# Altium PCB PCB1.PcbDoc (part 1 of 2) (continued)
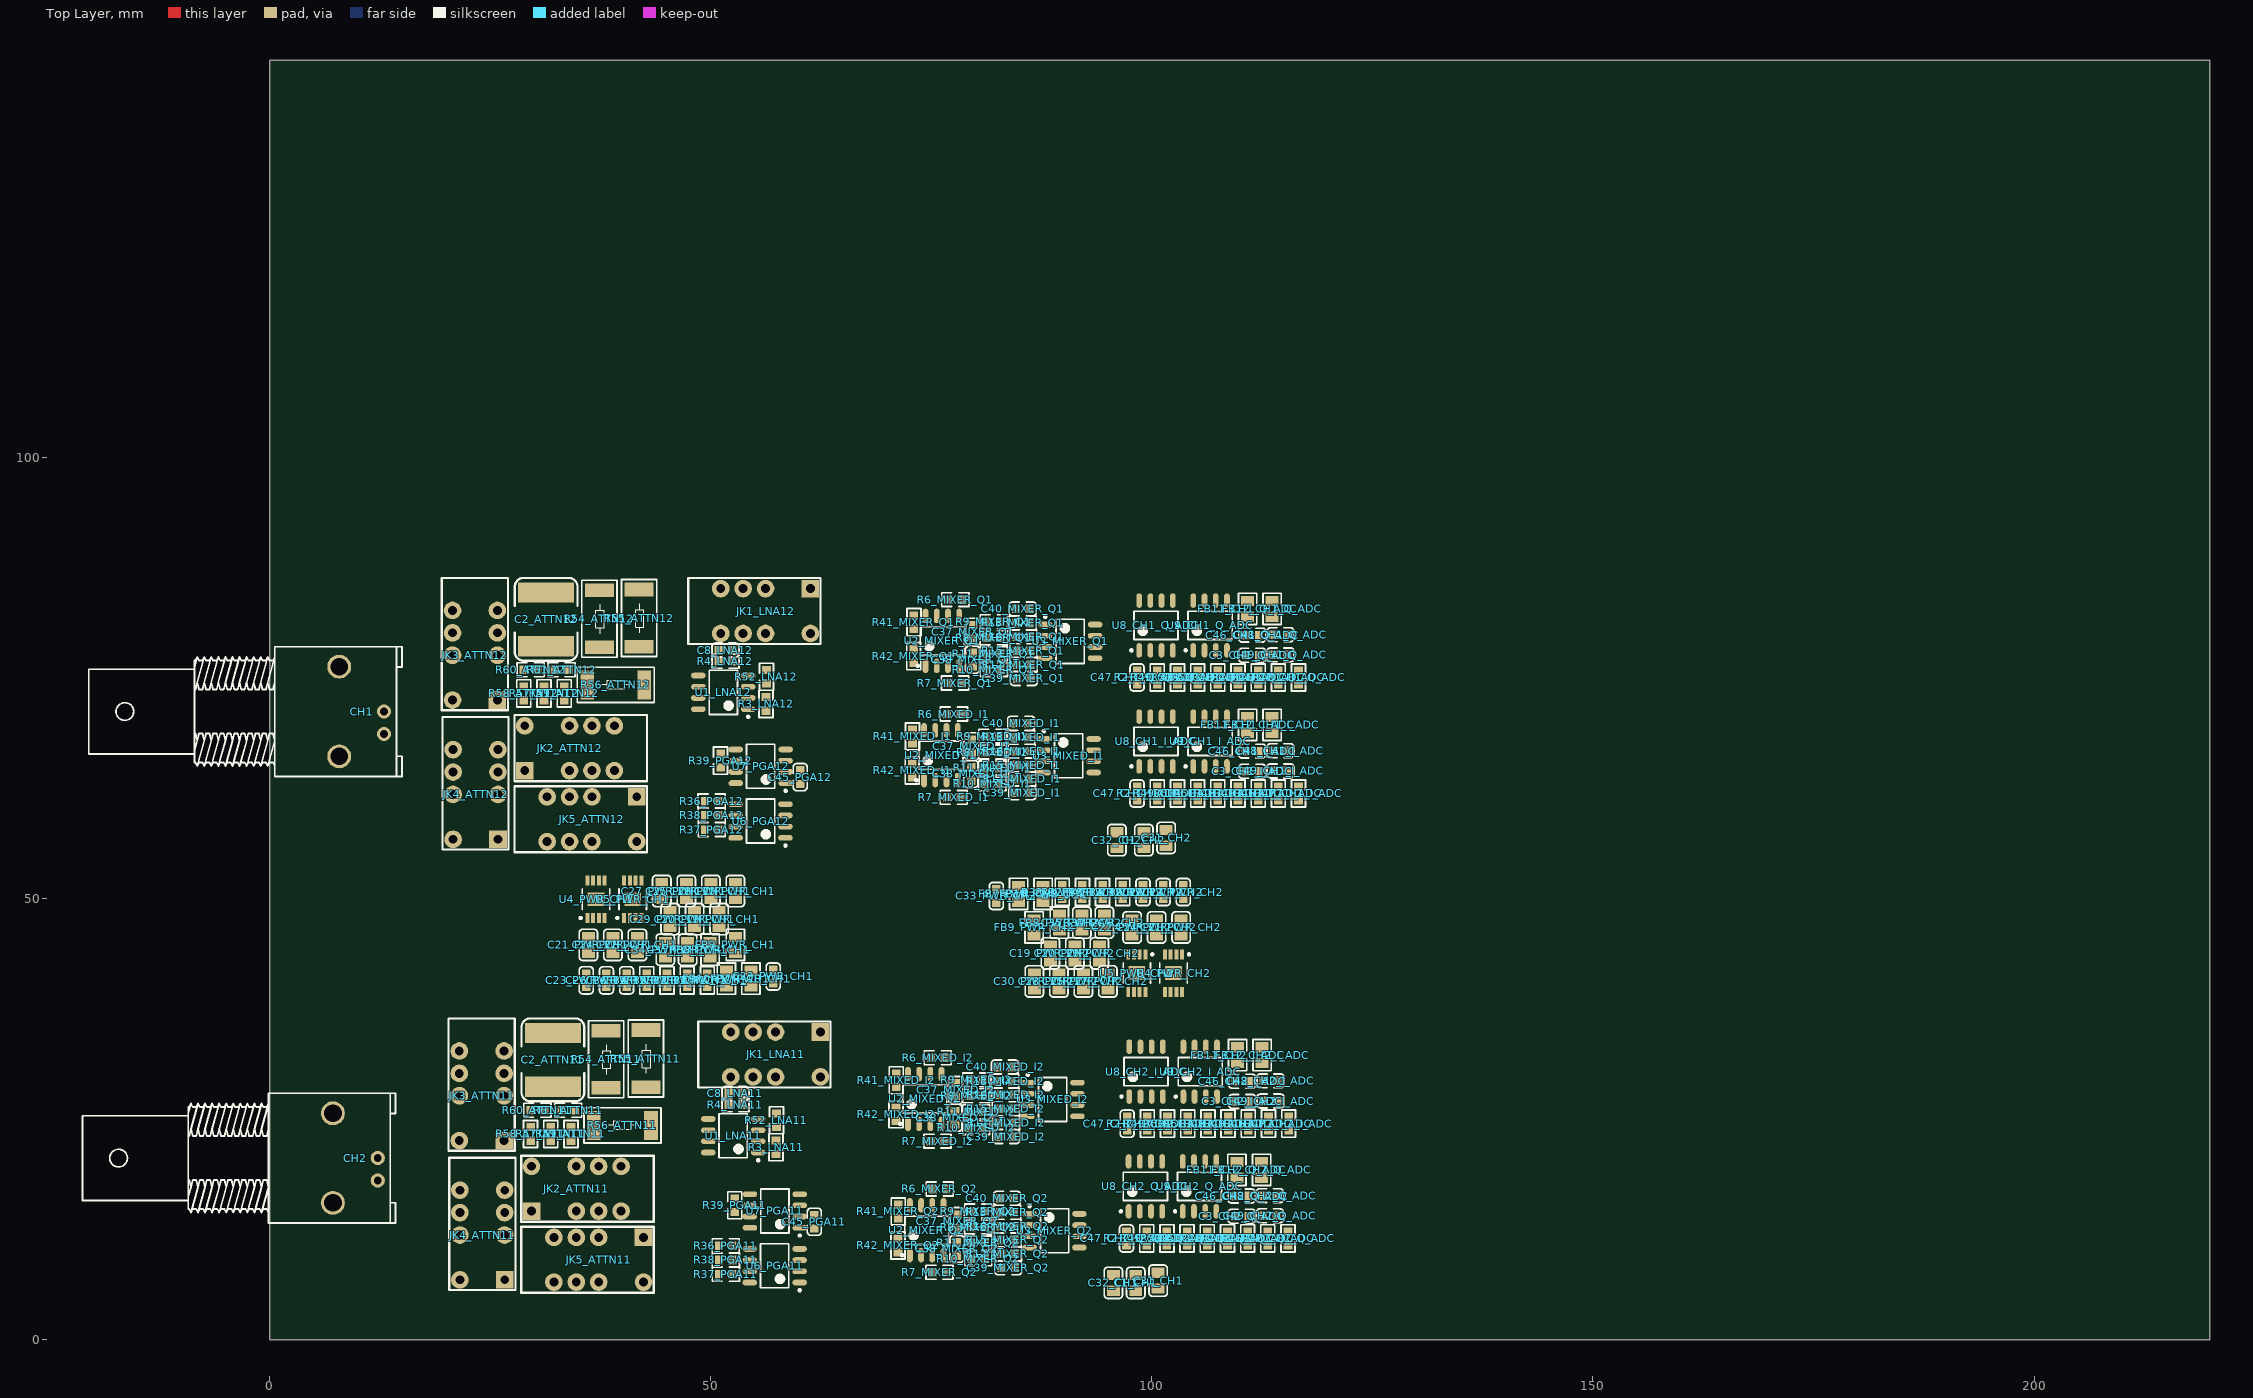
[diagram p0: Top Layer view]
## Classes and differential pairs
component class PWR_CH2: C19_PWR_CH2 C20_PWR_CH2 C21_PWR_CH2 C22_PWR_CH2 C23_PWR_CH2 C24_PWR_CH2 C25_PWR_CH2 C26_PWR_CH2 C27_PWR_CH2 C28_PWR_CH2 C29_PWR_CH2 C30_PWR_CH2 C33_PWR_CH2 C34_PWR_CH2 C35_PWR_CH2 C36_PWR_CH2 FB7_PWR_CH2 FB8_PWR_CH2 FB9_PWR_CH2 FB10_PWR_CH2 R32_PWR_CH2 R33_PWR_CH2 R34_PWR_CH2 R35_PWR_CH2 U4_PWR_CH2 U5_PWR_CH2
component class PWR_CH1: C19_PWR_CH1 C20_PWR_CH1 C21_PWR_CH1 C22_PWR_CH1 C23_PWR_CH1 C24_PWR_CH1 C25_PWR_CH1 C26_PWR_CH1 C27_PWR_CH1 C28_PWR_CH1 C29_PWR_CH1 C30_PWR_CH1 C33_PWR_CH1 C34_PWR_CH1 C35_PWR_CH1 C36_PWR_CH1 FB7_PWR_CH1 FB8_PWR_CH1 FB9_PWR_CH1 FB10_PWR_CH1 R32_PWR_CH1 R33_PWR_CH1 R34_PWR_CH1 R35_PWR_CH1 U4_PWR_CH1 U5_PWR_CH1
component class PGA12: C13_PGA12 C14_PGA12 C15_PGA12 C16_PGA12 C43_PGA12 C44_PGA12 C45_PGA12 FB5_PGA12 FB6_PGA12 R36_PGA12 R37_PGA12 R38_PGA12 R39_PGA12 U6_PGA12 U7_PGA12
component class PGA11: C13_PGA11 C14_PGA11 C15_PGA11 C16_PGA11 C43_PGA11 C44_PGA11 C45_PGA11 FB5_PGA11 FB6_PGA11 R36_PGA11 R37_PGA11 R38_PGA11 R39_PGA11 U6_PGA11 U7_PGA11
component class MIXER_Q2: C9_MIXER_Q2 C10_MIXER_Q2 C11_MIXER_Q2 C12_MIXER_Q2 C37_MIXER_Q2 C38_MIXER_Q2 C39_MIXER_Q2 C40_MIXER_Q2 C41_MIXER_Q2 C42_MIXER_Q2 FB3_MIXER_Q2 FB4_MIXER_Q2 R6_MIXER_Q2 R7_MIXER_Q2 R8_MIXER_Q2 R9_MIXER_Q2 R10_MIXER_Q2 R11_MIXER_Q2 R12_MIXER_Q2 R13_MIXER_Q2 R14_MIXER_Q2 R15_MIXER_Q2 R16_MIXER_Q2 R17_MIXER_Q2 R41_MIXER_Q2 R42_MIXER_Q2 U2_MIXER_Q2 U3_MIXER_Q2
component class MIXER_Q1: C9_MIXER_Q1 C10_MIXER_Q1 C11_MIXER_Q1 C12_MIXER_Q1 C37_MIXER_Q1 C38_MIXER_Q1 C39_MIXER_Q1 C40_MIXER_Q1 C41_MIXER_Q1 C42_MIXER_Q1 FB3_MIXER_Q1 FB4_MIXER_Q1 R6_MIXER_Q1 R7_MIXER_Q1 R8_MIXER_Q1 R9_MIXER_Q1 R10_MIXER_Q1 R11_MIXER_Q1 R12_MIXER_Q1 R13_MIXER_Q1 R14_MIXER_Q1 R15_MIXER_Q1 R16_MIXER_Q1 R17_MIXER_Q1 R41_MIXER_Q1 R42_MIXER_Q1 U2_MIXER_Q1 U3_MIXER_Q1
component class MIXED_I2: C9_MIXED_I2 C10_MIXED_I2 C11_MIXED_I2 C12_MIXED_I2 C37_MIXED_I2 C38_MIXED_I2 C39_MIXED_I2 C40_MIXED_I2 C41_MIXED_I2 C42_MIXED_I2 FB3_MIXED_I2 FB4_MIXED_I2 R6_MIXED_I2 R7_MIXED_I2 R8_MIXED_I2 R9_MIXED_I2 R10_MIXED_I2 R11_MIXED_I2 R12_MIXED_I2 R13_MIXED_I2 R14_MIXED_I2 R15_MIXED_I2 R16_MIXED_I2 R17_MIXED_I2 R41_MIXED_I2 R42_MIXED_I2 U2_MIXED_I2 U3_MIXED_I2
component class MIXED_I1: C9_MIXED_I1 C10_MIXED_I1 C11_MIXED_I1 C12_MIXED_I1 C37_MIXED_I1 C38_MIXED_I1 C39_MIXED_I1 C40_MIXED_I1 C41_MIXED_I1 C42_MIXED_I1 FB3_MIXED_I1 FB4_MIXED_I1 R6_MIXED_I1 R7_MIXED_I1 R8_MIXED_I1 R9_MIXED_I1 R10_MIXED_I1 R11_MIXED_I1 R12_MIXED_I1 R13_MIXED_I1 R14_MIXED_I1 R15_MIXED_I1 R16_MIXED_I1 R17_MIXED_I1 R41_MIXED_I1 R42_MIXED_I1 U2_MIXED_I1 U3_MIXED_I1
component class LNA12: C4_LNA12 C5_LNA12 C6_LNA12 C7_LNA12 C8_LNA12 D5_LNA12 FB1_LNA12 FB2_LNA12 JK1_LNA12 Q1_LNA12 Q2_LNA12 R1_LNA12 R3_LNA12 R4_LNA12 R5_LNA12 R52_LNA12 R53_LNA12 U1_LNA12
component class LNA11: C4_LNA11 C5_LNA11 C6_LNA11 C7_LNA11 C8_LNA11 D5_LNA11 FB1_LNA11 FB2_LNA11 JK1_LNA11 Q1_LNA11 Q2_LNA11 R1_LNA11 R3_LNA11 R4_LNA11 R5_LNA11 R52_LNA11 R53_LNA11 U1_LNA11
component class CH2_Q_ADC: C3_CH2_Q_ADC C46_CH2_Q_ADC C47_CH2_Q_ADC C48_CH2_Q_ADC C49_CH2_Q_ADC FB11_CH2_Q_ADC FB12_CH2_Q_ADC R2_CH2_Q_ADC R40_CH2_Q_ADC R46_CH2_Q_ADC R47_CH2_Q_ADC R48_CH2_Q_ADC R49_CH2_Q_ADC R50_CH2_Q_ADC R51_CH2_Q_ADC U8_CH2_Q_ADC U9_CH2_Q_ADC
component class CH2_I_ADC: C3_CH2_I_ADC C46_CH2_I_ADC C47_CH2_I_ADC C48_CH2_I_ADC C49_CH2_I_ADC FB11_CH2_I_ADC FB12_CH2_I_ADC R2_CH2_I_ADC R40_CH2_I_ADC R46_CH2_I_ADC R47_CH2_I_ADC R48_CH2_I_ADC R49_CH2_I_ADC R50_CH2_I_ADC R51_CH2_I_ADC U8_CH2_I_ADC U9_CH2_I_ADC
component class CH2: C1_CH2 C31_CH2 C32_CH2
component class CH1_Q_ADC: C3_CH1_Q_ADC C46_CH1_Q_ADC C47_CH1_Q_ADC C48_CH1_Q_ADC C49_CH1_Q_ADC FB11_CH1_Q_ADC FB12_CH1_Q_ADC R2_CH1_Q_ADC R40_CH1_Q_ADC R46_CH1_Q_ADC R47_CH1_Q_ADC R48_CH1_Q_ADC R49_CH1_Q_ADC R50_CH1_Q_ADC R51_CH1_Q_ADC U8_CH1_Q_ADC U9_CH1_Q_ADC
component class CH1_I_ADC: C3_CH1_I_ADC C46_CH1_I_ADC C47_CH1_I_ADC C48_CH1_I_ADC C49_CH1_I_ADC FB11_CH1_I_ADC FB12_CH1_I_ADC R2_CH1_I_ADC R40_CH1_I_ADC R46_CH1_I_ADC R47_CH1_I_ADC R48_CH1_I_ADC R49_CH1_I_ADC R50_CH1_I_ADC R51_CH1_I_ADC U8_CH1_I_ADC U9_CH1_I_ADC
component class CH1: C1_CH1 C31_CH1 C32_CH1
component class ATTN12: C2_ATTN12 D1_ATTN12 D2_ATTN12 D3_ATTN12 D4_ATTN12 JK2_ATTN12 JK3_ATTN12 JK4_ATTN12 JK5_ATTN12 R54_ATTN12 R55_ATTN12 R56_ATTN12 R57_ATTN12 R58_ATTN12 R59_ATTN12 R60_ATTN12 R61_ATTN12
component class ATTN11: C2_ATTN11 D1_ATTN11 D2_ATTN11 D3_ATTN11 D4_ATTN11 JK2_ATTN11 JK3_ATTN11 JK4_ATTN11 JK5_ATTN11 R54_ATTN11 R55_ATTN11 R56_ATTN11 R57_ATTN11 R58_ATTN11 R59_ATTN11 R60_ATTN11 R61_ATTN11
channel class LN_LDO: PWR_CH1 PWR_CH2
channel class Ladder_ATTN: ATTN11 ATTN12
channel class BUF_ADC: CH1_I_ADC CH1_Q_ADC CH2_I_ADC CH2_Q_ADC
channel class AD834_Mixer: MIXED_I1 MIXED_I2 MIXER_Q1 MIXER_Q2
channel class AD603_PGA: PGA11 PGA12
channel class OPA847_LNA: LNA11 LNA12
channel class Analog_Channel: CH1 CH2
component class Analog_Channel_Test: CH1 CH2

## Components (designator, comment, footprint, x,y, rotation, side; value= is the part's Value field where it differs from the comment)
C1_CH1 "100nF" 0805_C 98.176,6.425 r90 top (schematic designator C1)
C1_CH2 "100nF" 0805_C 99.095,56.61 r90 top (schematic designator C1)
C2_ATTN11 "1uF 63V CB042D0105JBC" 2225C 32.106,28.66 r90 top (schematic designator C2)
C2_ATTN12 "1uF 63V CB042D0105JBC" 2225C 31.341,78.595 r90 top (schematic designator C2)
C3_CH1_I_ADC "100nF" 0603_C 111.38,64.413 r180 top (schematic designator C3)
C3_CH1_Q_ADC "100nF" 0603_C 111.38,77.563 r180 top (schematic designator C3)
C3_CH2_I_ADC "100nF" 0603_C 110.255,26.988 r180 top (schematic designator C3)
C3_CH2_Q_ADC "100nF" 0603_C 110.184,13.98 r180 top (schematic designator C3)
C4_LNA11 "100nF" 0603_C 54.1,24.72 r0 bottom (schematic designator C4)
C4_LNA12 "100nF" 0603_C 52.969,74.983 r0 bottom (schematic designator C4)
C5_LNA11 "10nF" 0603_C 54.095,23.645 r0 bottom (schematic designator C5)
C5_LNA12 "10nF" 0603_C 52.964,73.908 r0 bottom (schematic designator C5)
C6_LNA11 "100nF" 0603_C 51.525,23.645 r180 bottom (schematic designator C6)
C6_LNA12 "100nF" 0603_C 50.394,73.908 r180 bottom (schematic designator C6)
C7_LNA11 "10nF" 0603_C 51.53,24.72 r180 bottom (schematic designator C7)
C7_LNA12 "10nF" 0603_C 50.399,74.983 r180 bottom (schematic designator C7)
C8_LNA11 "10pF" 0603_C 52.8,27.895 r180 top (schematic designator C8)
C8_LNA12 "10pF" 0603_C 51.669,78.158 r180 top (schematic designator C8)
C9_MIXED_I1 "100nF" 0603_C 78.512,65.437 r270 bottom (schematic designator C9)
C9_MIXED_I2 "100nF" 0603_C 76.68,26.474 r270 bottom (schematic designator C9)
C9_MIXER_Q1 "100nF" 0603_C 78.68,78.399 r270 bottom (schematic designator C9)
C9_MIXER_Q2 "100nF" 0603_C 76.905,11.599 r270 bottom (schematic designator C9)
C10_MIXED_I1 "10nF" 0603_C 77.437,65.437 r270 bottom (schematic designator C10)
C10_MIXED_I2 "10nF" 0603_C 75.605,26.474 r270 bottom (schematic designator C10)
C10_MIXER_Q1 "10nF" 0603_C 77.605,78.399 r270 bottom (schematic designator C10)
C10_MIXER_Q2 "10nF" 0603_C 75.83,11.599 r270 bottom (schematic designator C10)
C11_MIXED_I1 "100nF" 0603_C 76.262,67.037 r90 bottom (schematic designator C11)
C11_MIXED_I2 "100nF" 0603_C 74.43,28.074 r90 bottom (schematic designator C11)
C11_MIXER_Q1 "100nF" 0603_C 76.43,79.999 r90 bottom (schematic designator C11)
C11_MIXER_Q2 "100nF" 0603_C 74.655,13.199 r90 bottom (schematic designator C11)
C12_MIXED_I1 "10nF" 0603_C 75.187,67.037 r90 bottom (schematic designator C12)
C12_MIXED_I2 "10nF" 0603_C 73.355,28.074 r90 bottom (schematic designator C12)
C12_MIXER_Q1 "10nF" 0603_C 75.355,79.999 r90 bottom (schematic designator C12)
C12_MIXER_Q2 "10nF" 0603_C 73.58,13.199 r90 bottom (schematic designator C12)
C13_PGA11 "100nF" 0603_C 59,15.39 r90 bottom (schematic designator C13)
C13_PGA12 "100nF" 0603_C 57.4,65.795 r90 bottom (schematic designator C13)
C14_PGA11 "10nF" 0603_C 57.9,15.36 r90 bottom (schematic designator C14)
C14_PGA12 "10nF" 0603_C 56.3,65.765 r90 bottom (schematic designator C14)
C15_PGA11 "100nF" 0603_C 55.725,13.76 r270 bottom (schematic designator C15)
C15_PGA12 "100nF" 0603_C 54.125,64.165 r270 bottom (schematic designator C15)
C16_PGA11 "10nF" 0603_C 56.825,13.76 r270 bottom (schematic designator C16)
C16_PGA12 "10nF" 0603_C 55.225,64.165 r270 bottom (schematic designator C16)
C19_PWR_CH1 "10uF" 0805_C 50.956,47.671 r90 top (schematic designator C19)
C19_PWR_CH2 "10uF" 0805_C 88.5,43.778 r270 top (schematic designator C19)
C20_PWR_CH1 "10uF" 0805_C 48.178,47.671 r90 top (schematic designator C20)
C20_PWR_CH2 "10uF" 0805_C 91.278,43.778 r270 top (schematic designator C20)
C21_PWR_CH1 "10uF" 0805_C 36.132,44.735 r90 top (schematic designator C21)
C21_PWR_CH2 "10uF" 0805_C 103.324,46.714 r270 top (schematic designator C21)
C22_PWR_CH1 "10uF" 0805_C 41.688,44.735 r90 top (schematic designator C22)
C22_PWR_CH2 "10uF" 0805_C 97.768,46.714 r270 top (schematic designator C22)
C23_PWR_CH1 "10nF" 0603_C 35.887,40.722 r90 top (schematic designator C23)
C23_PWR_CH2 "10nF" 0603_C 103.569,50.727 r270 top (schematic designator C23)
C24_PWR_CH1 "10uF" 0805_C 38.91,44.735 r90 top (schematic designator C24)
C24_PWR_CH2 "10uF" 0805_C 100.546,46.714 r270 top (schematic designator C24)
C25_PWR_CH1 "10uF" 0805_C 47.226,50.846 r90 top (schematic designator C25)
C25_PWR_CH2 "10uF" 0805_C 92.23,40.603 r270 top (schematic designator C25)
C26_PWR_CH1 "100nF" 0603_C 38.175,40.722 r90 top (schematic designator C26)
C26_PWR_CH2 "100nF" 0603_C 101.281,50.727 r270 top (schematic designator C26)
C27_PWR_CH1 "10uF" 0805_C 44.448,50.846 r90 top (schematic designator C27)
C27_PWR_CH2 "10uF" 0805_C 95.008,40.603 r270 top (schematic designator C27)
C28_PWR_CH1 "10uF" 0805_C 50.004,50.846 r90 top (schematic designator C28)
C28_PWR_CH2 "10uF" 0805_C 89.452,40.603 r270 top (schematic designator C28)
C29_PWR_CH1 "10uF" 0805_C 45.4,47.671 r90 top (schematic designator C29)
C29_PWR_CH2 "10uF" 0805_C 94.056,43.778 r270 top (schematic designator C29)
C30_PWR_CH1 "10uF" 0805_C 52.782,50.846 r90 top (schematic designator C30)
C30_PWR_CH2 "10uF" 0805_C 86.674,40.603 r270 top (schematic designator C30)
C31_CH1 "100nF" 0805_C 100.72,6.68 r90 top (schematic designator C31)
C31_CH2 "100nF" 0805_C 101.625,56.865 r90 top (schematic designator C31)
C32_CH1 "100nF" 0805_C 95.64,6.425 r90 top (schematic designator C32)
C32_CH2 "100nF" 0805_C 96.034,56.61 r90 top (schematic designator C32)
C33_PWR_CH1 "100nF" 0603_C 57.079,41.16 r90 top (schematic designator C33)
C33_PWR_CH2 "100nF" 0603_C 82.377,50.289 r270 top (schematic designator C33)
C34_PWR_CH1 "10uF" 0805_C 44.846,44.192 r90 top (schematic designator C34)
C34_PWR_CH2 "10uF" 0805_C 94.61,47.257 r270 top (schematic designator C34)
C35_PWR_CH1 "10uF" 0805_C 47.386,44.192 r90 top (schematic designator C35)
C35_PWR_CH2 "10uF" 0805_C 92.07,47.257 r270 top (schematic designator C35)
C36_PWR_CH1 "10nF" 0603_C 40.463,40.722 r90 top (schematic designator C36)
C36_PWR_CH2 "10nF" 0603_C 98.993,50.727 r270 top (schematic designator C36)
C37_MIXED_I1 "100nF" 0603_C 79.587,67.262 r270 top (schematic designator C37)
C37_MIXED_I2 "100nF" 0603_C 77.755,28.299 r270 top (schematic designator C37)
C37_MIXER_Q1 "100nF" 0603_C 79.755,80.224 r270 top (schematic designator C37)
C37_MIXER_Q2 "100nF" 0603_C 77.98,13.424 r270 top (schematic designator C37)
C38_MIXED_I1 "100nF" 0603_C 79.512,64.112 r90 top (schematic designator C38)
C38_MIXED_I2 "100nF" 0603_C 77.68,25.149 r90 top (schematic designator C38)
C38_MIXER_Q1 "100nF" 0603_C 79.68,77.074 r90 top (schematic designator C38)
C38_MIXER_Q2 "100nF" 0603_C 77.905,10.274 r90 top (schematic designator C38)
C39_MIXED_I1 "10nF" 0603_C 85.325,61.975 r180 top (schematic designator C39)
C39_MIXED_I2 "10nF" 0603_C 83.493,23.012 r180 top (schematic designator C39)
C39_MIXER_Q1 "10nF" 0603_C 85.493,74.937 r180 top (schematic designator C39)
C39_MIXER_Q2 "10nF" 0603_C 83.718,8.137 r180 top (schematic designator C39)
C40_MIXED_I1 "10nF" 0603_C 85.188,69.862 r180 top (schematic designator C40)
C40_MIXED_I2 "10nF" 0603_C 83.357,30.899 r180 top (schematic designator C40)
C40_MIXER_Q1 "10nF" 0603_C 85.357,82.824 r180 top (schematic designator C40)
C40_MIXER_Q2 "10nF" 0603_C 83.582,16.024 r180 top (schematic designator C40)
C41_MIXED_I1 "100nF" 0603_C 91.312,66.763 r270 bottom (schematic designator C41)
C41_MIXED_I2 "100nF" 0603_C 89.48,27.8 r270 bottom (schematic designator C41)
C41_MIXER_Q1 "100nF" 0603_C 91.48,79.725 r270 bottom (schematic designator C41)
C41_MIXER_Q2 "100nF" 0603_C 89.705,12.925 r270 bottom (schematic designator C41)
C42_MIXED_I1 "100nF" 0603_C 89.537,65.913 r90 bottom (schematic designator C42)
C42_MIXED_I2 "100nF" 0603_C 87.705,26.95 r90 bottom (schematic designator C42)
C42_MIXER_Q1 "100nF" 0603_C 89.705,78.875 r90 bottom (schematic designator C42)
C42_MIXER_Q2 "100nF" 0603_C 87.93,12.075 r90 bottom (schematic designator C42)
C43_PGA11 "100nF" 0603_C 56.115,7.1 r270 bottom (schematic designator C43)
C43_PGA12 "100nF" 0603_C 54.515,57.505 r270 bottom (schematic designator C43)
C44_PGA11 "100nF" 0603_C 60.09,8.35 r90 bottom (schematic designator C44)
C44_PGA12 "100nF" 0603_C 58.49,58.755 r90 bottom (schematic designator C44)
C45_PGA11 "100nF" 0603_C 61.74,13.355 r270 top (schematic designator C45)
C45_PGA12 "100nF" 0603_C 60.14,63.76 r270 top (schematic designator C45)
C46_CH1_I_ADC "100nF" 0603_C 111.38,66.701 r180 top (schematic designator C46)
C46_CH1_Q_ADC "100nF" 0603_C 111.38,79.851 r180 top (schematic designator C46)
C46_CH2_I_ADC "100nF" 0603_C 110.255,29.276 r180 top (schematic designator C46)
C46_CH2_Q_ADC "100nF" 0603_C 110.184,16.268 r180 top (schematic designator C46)
C47_CH1_I_ADC "10nF" 0603_C 98.327,61.904 r90 top (schematic designator C47)
C47_CH1_Q_ADC "10nF" 0603_C 98.327,75.054 r90 top (schematic designator C47)
C47_CH2_I_ADC "10nF" 0603_C 97.202,24.479 r90 top (schematic designator C47)
C47_CH2_Q_ADC "10nF" 0603_C 97.131,11.471 r90 top (schematic designator C47)
C48_CH1_I_ADC "100nF" 0603_C 114.58,66.75 r180 top (schematic designator C48)
C48_CH1_Q_ADC "100nF" 0603_C 114.58,79.9 r180 top (schematic designator C48)
C48_CH2_I_ADC "100nF" 0603_C 113.455,29.325 r180 top (schematic designator C48)
C48_CH2_Q_ADC "100nF" 0603_C 113.384,16.317 r180 top (schematic designator C48)
C49_CH1_I_ADC "10nF" 0603_C 114.58,64.462 r180 top (schematic designator C49)
C49_CH1_Q_ADC "10nF" 0603_C 114.58,77.612 r180 top (schematic designator C49)
C49_CH2_I_ADC "10nF" 0603_C 113.455,27.037 r180 top (schematic designator C49)
C49_CH2_Q_ADC "10nF" 0603_C 113.384,14.029 r180 top (schematic designator C49)
CH1 "BNC" BNC-TYCO_1-1337542-0 7.49,71.19 r180 top
CH2 "BNC" BNC-TYCO_1-1337542-0 6.775,20.575 r180 top
D1_ATTN11 "B5919WS" SOD-323 29.725,17.02 r270 bottom (schematic designator D1)
D1_ATTN12 "B5919WS" SOD-323 28.96,66.955 r270 bottom (schematic designator D1)
D2_ATTN11 "B5919WS" SOD-323 24.2,22.545 r0 bottom (schematic designator D2)
D2_ATTN12 "B5919WS" SOD-323 23.435,72.48 r0 bottom (schematic designator D2)
D3_ATTN11 "B5919WS" SOD-323 24.2,6.72 r0 bottom (schematic designator D3)
D3_ATTN12 "B5919WS" SOD-323 23.435,56.655 r0 bottom (schematic designator D3)
D4_ATTN11 "B5919WS" SOD-323 42.4,9.07 r90 bottom (schematic designator D4)
D4_ATTN12 "B5919WS" SOD-323 41.635,59.005 r90 bottom (schematic designator D4)
D5_LNA11 "B5919WS" SOD-323 62.4,32.245 r90 bottom (schematic designator D5)
D5_LNA12 "B5919WS" SOD-323 61.269,82.508 r90 bottom (schematic designator D5)
FB1_LNA11 "Bead" 0805_L 55.125,21.58 r90 bottom (schematic designator FB1)
FB1_LNA12 "Bead" 0805_L 53.994,71.843 r90 bottom (schematic designator FB1)
FB2_LNA11 "Bead" 0805_L 50.475,21.58 r90 bottom (schematic designator FB2)
FB2_LNA12 "Bead" 0805_L 49.344,71.843 r90 bottom (schematic designator FB2)
FB3_MIXED_I1 "Bead" 0805_L 75.162,64.587 r0 bottom (schematic designator FB3)
FB3_MIXED_I2 "Bead" 0805_L 73.33,25.624 r0 bottom (schematic designator FB3)
FB3_MIXER_Q1 "Bead" 0805_L 75.33,77.549 r0 bottom (schematic designator FB3)
FB3_MIXER_Q2 "Bead" 0805_L 73.555,10.749 r0 bottom (schematic designator FB3)
FB4_MIXED_I1 "Bead" 0805_L 78.662,67.862 r180 bottom (schematic designator FB4)
FB4_MIXED_I2 "Bead" 0805_L 76.83,28.899 r180 bottom (schematic designator FB4)
FB4_MIXER_Q1 "Bead" 0805_L 78.83,80.824 r180 bottom (schematic designator FB4)
FB4_MIXER_Q2 "Bead" 0805_L 77.055,14.024 r180 bottom (schematic designator FB4)
FB5_PGA11 "Bead" 0805_L 55.725,16.135 r0 bottom (schematic designator FB5)
FB5_PGA12 "Bead" 0805_L 54.125,66.54 r0 bottom (schematic designator FB5)
FB6_PGA11 "Bead" 0805_L 58.85,12.935 r180 bottom (schematic designator FB6)
FB6_PGA12 "Bead" 0805_L 57.25,63.34 r180 bottom (schematic designator FB6)
FB7_PWR_CH1 "Bead" 0805_L 54.546,40.925 r90 top (schematic designator FB7)
FB7_PWR_CH2 "Bead" 0805_L 84.91,50.524 r270 top (schematic designator FB7)
FB8_PWR_CH1 "Bead" 0805_L 49.926,44.192 r90 top (schematic designator FB8)
FB8_PWR_CH2 "Bead" 0805_L 89.53,47.257 r270 top (schematic designator FB8)
FB9_PWR_CH1 "Bead" 0805_L 52.8,44.735 r90 top (schematic designator FB9)
FB9_PWR_CH2 "Bead" 0805_L 86.656,46.714 r270 top (schematic designator FB9)
FB10_PWR_CH1 "Bead" 0805_L 51.768,40.925 r90 top (schematic designator FB10)
FB10_PWR_CH2 "Bead" 0805_L 87.688,50.524 r270 top (schematic designator FB10)
FB11_CH1_I_ADC "Bead" 0805_L 110.848,69.68 r90 top (schematic designator FB11)
FB11_CH1_Q_ADC "Bead" 0805_L 110.848,82.83 r90 top (schematic designator FB11)
FB11_CH2_I_ADC "Bead" 0805_L 109.723,32.255 r90 top (schematic designator FB11)
FB11_CH2_Q_ADC "Bead" 0805_L 109.652,19.247 r90 top (schematic designator FB11)
FB12_CH1_I_ADC "Bead" 0805_L 113.626,69.68 r90 top (schematic designator FB12)
FB12_CH1_Q_ADC "Bead" 0805_L 113.626,82.83 r90 top (schematic designator FB12)
FB12_CH2_I_ADC "Bead" 0805_L 112.501,32.255 r90 top (schematic designator FB12)
FB12_CH2_Q_ADC "Bead" 0805_L 112.43,19.247 r90 top (schematic designator FB12)
JK1_LNA11 "HFD3/24" HFD3-DIP 56.075,32.32 r180 top (schematic designator JK1)
JK1_LNA12 "HFD3/24" HFD3-DIP 54.944,82.583 r180 top (schematic designator JK1)
JK2_ATTN11 "HFD3/24" HFD3-DIP 36.03,17.1 r0 top (schematic designator JK2)
JK2_ATTN12 "HFD3/24" HFD3-DIP 35.265,67.035 r0 top (schematic designator JK2)
JK3_ATTN11 "HFD3/24" HFD3-DIP 24.038,28.907 r90 top (schematic designator JK3)
JK3_ATTN12 "HFD3/24" HFD3-DIP 23.273,78.842 r90 top (schematic designator JK3)
JK4_ATTN11 "HFD3/24" HFD3-DIP 24.105,13.125 r90 top (schematic designator JK4)
JK4_ATTN12 "HFD3/24" HFD3-DIP 23.34,63.06 r90 top (schematic designator JK4)
JK5_ATTN11 "HFD3/24" HFD3-DIP 36.03,9.05 r180 top (schematic designator JK5)
JK5_ATTN12 "HFD3/24" HFD3-DIP 35.265,58.985 r180 top (schematic designator JK5)
Q1_LNA11 "2N7002" SOT-23(SOT-23-3) 58.95,22.12 r0 bottom (schematic designator Q1)
Q1_LNA12 "2N7002" SOT-23(SOT-23-3) 57.819,72.383 r0 bottom (schematic designator Q1)
Q2_LNA11 "2N7002" SOT-23(SOT-23-3) 60.175,26.795 r270 bottom (schematic designator Q2)
Q2_LNA12 "2N7002" SOT-23(SOT-23-3) 59.044,77.058 r270 bottom (schematic designator Q2)
R1_LNA11 "10kΩ" 0603_R 60.186,24.612 r0 bottom (schematic designator R1)
R1_LNA12 "10kΩ" 0603_R 59.055,74.875 r0 bottom (schematic designator R1)
R2_CH1_I_ADC "22Ω" 0603_R 100.615,61.904 r90 top (schematic designator R2)
R2_CH1_Q_ADC "22Ω" 0603_R 100.615,75.054 r90 top (schematic designator R2)
R2_CH2_I_ADC "22Ω" 0603_R 99.49,24.479 r90 top (schematic designator R2)
R2_CH2_Q_ADC "22Ω" 0603_R 99.419,11.471 r90 top (schematic designator R2)
R3_LNA11 "100Ω" 0603_R 57.4,21.795 r90 top (schematic designator R3)
R3_LNA12 "100Ω" 0603_R 56.269,72.058 r90 top (schematic designator R3)
R4_LNA11 "910Ω" 0603_R 52.8,26.62 r180 top (schematic designator R4)
R4_LNA12 "910Ω" 0603_R 51.669,76.883 r180 top (schematic designator R4)
R5_LNA11 "10kΩ" 0603_R 61.15,22.12 r90 bottom (schematic designator R5)
R5_LNA12 "10kΩ" 0603_R 60.019,72.383 r90 bottom (schematic designator R5)
R6_MIXED_I1 "167Ω" 0603_R 77.562,70.912 r180 top (schematic designator R6)
R6_MIXED_I2 "167Ω" 0603_R 75.73,31.949 r180 top (schematic designator R6)
R6_MIXER_Q1 "167Ω" 0603_R 77.73,83.874 r180 top (schematic designator R6)
R6_MIXER_Q2 "167Ω" 0603_R 75.955,17.074 r180 top (schematic designator R6)
R7_MIXED_I1 "4.7Ω" 0603_R 77.537,61.462 r180 top (schematic designator R7)
R7_MIXED_I2 "4.7Ω" 0603_R 75.705,22.499 r180 top (schematic designator R7)
R7_MIXER_Q1 "4.7Ω" 0603_R 77.705,74.424 r180 top (schematic designator R7)
R7_MIXER_Q2 "4.7Ω" 0603_R 75.93,7.624 r180 top (schematic designator R7)
R8_MIXED_I1 "261Ω" 0603_R 81.921,66.6 r180 top (schematic designator R8)
R8_MIXED_I2 "261Ω" 0603_R 80.09,27.637 r180 top (schematic designator R8)
R8_MIXER_Q1 "261Ω" 0603_R 82.09,79.562 r180 top (schematic designator R8)
R8_MIXER_Q2 "261Ω" 0603_R 80.315,12.762 r180 top (schematic designator R8)
R9_MIXED_I1 "49.9Ω" 0603_R 81.921,68.403 r180 top (schematic designator R9)
R9_MIXED_I2 "49.9Ω" 0603_R 80.09,29.44 r180 top (schematic designator R9)
R9_MIXER_Q1 "49.9Ω" 0603_R 82.09,81.365 r180 top (schematic designator R9)
R9_MIXER_Q2 "49.9Ω" 0603_R 80.315,14.565 r180 top (schematic designator R9)
R10_MIXED_I1 "49.9Ω" 0603_R 81.921,62.994 r180 top (schematic designator R10)
R10_MIXED_I2 "49.9Ω" 0603_R 80.09,24.031 r180 top (schematic designator R10)
R10_MIXER_Q1 "49.9Ω" 0603_R 82.09,75.956 r180 top (schematic designator R10)
R10_MIXER_Q2 "49.9Ω" 0603_R 80.315,9.156 r180 top (schematic designator R10)
R11_MIXED_I1 "261Ω" 0603_R 81.921,64.797 r180 top (schematic designator R11)
R11_MIXED_I2 "261Ω" 0603_R 80.09,25.834 r180 top (schematic designator R11)
R11_MIXER_Q1 "261Ω" 0603_R 82.09,77.759 r180 top (schematic designator R11)
R11_MIXER_Q2 "261Ω" 0603_R 80.315,10.959 r180 top (schematic designator R11)
R12_MIXED_I1 "3kΩ" 0603_R 85.3,63.55 r180 top (schematic designator R12)
R12_MIXED_I2 "3kΩ" 0603_R 83.468,24.587 r180 top (schematic designator R12)
R12_MIXER_Q1 "3kΩ" 0603_R 85.468,76.512 r180 top (schematic designator R12)
R12_MIXER_Q2 "3kΩ" 0603_R 83.693,9.712 r180 top (schematic designator R12)
R13_MIXED_I1 "3kΩ" 0603_R 85.205,68.265 r180 top (schematic designator R13)
R13_MIXED_I2 "3kΩ" 0603_R 83.373,29.302 r180 top (schematic designator R13)
R13_MIXER_Q1 "3kΩ" 0603_R 85.373,81.227 r180 top (schematic designator R13)
R13_MIXER_Q2 "3kΩ" 0603_R 83.598,14.427 r180 top (schematic designator R13)
R14_MIXED_I1 "4.7Ω" 0603_R 90.462,68.813 r0 bottom (schematic designator R14)
R14_MIXED_I2 "4.7Ω" 0603_R 88.63,29.85 r0 bottom (schematic designator R14)
R14_MIXER_Q1 "4.7Ω" 0603_R 90.63,81.775 r0 bottom (schematic designator R14)
R14_MIXER_Q2 "4.7Ω" 0603_R 88.855,14.975 r0 bottom (schematic designator R14)
R15_MIXED_I1 "3.74kΩ" 0603_R 85.28,65.13 r0 top (schematic designator R15)
R15_MIXED_I2 "3.74kΩ" 0603_R 83.449,26.167 r0 top (schematic designator R15)
R15_MIXER_Q1 "3.74kΩ" 0603_R 85.449,78.092 r0 top (schematic designator R15)
R15_MIXER_Q2 "3.74kΩ" 0603_R 83.674,11.292 r0 top (schematic designator R15)
R16_MIXED_I1 "3.74kΩ" 0603_R 85.25,66.7 r0 top (schematic designator R16)
R16_MIXED_I2 "3.74kΩ" 0603_R 83.418,27.737 r0 top (schematic designator R16)
R16_MIXER_Q1 "3.74kΩ" 0603_R 85.418,79.662 r0 top (schematic designator R16)
R16_MIXER_Q2 "3.74kΩ" 0603_R 83.643,12.862 r0 top (schematic designator R16)
R17_MIXED_I1 "4.7Ω" 0603_R 90.387,63.713 r0 bottom (schematic designator R17)
R17_MIXED_I2 "4.7Ω" 0603_R 88.555,24.75 r0 bottom (schematic designator R17)
R17_MIXER_Q1 "4.7Ω" 0603_R 90.555,76.675 r0 bottom (schematic designator R17)
R17_MIXER_Q2 "4.7Ω" 0603_R 88.78,9.875 r0 bottom (schematic designator R17)
R32_PWR_CH1 "91kΩ" 0603_R 47.327,40.722 r90 top (schematic designator R32)
R32_PWR_CH2 "91kΩ" 0603_R 92.129,50.727 r270 top (schematic designator R32)
R33_PWR_CH1 "10kΩ" 0603_R 49.615,40.722 r90 top (schematic designator R33)
R33_PWR_CH2 "10kΩ" 0603_R 89.841,50.727 r270 top (schematic designator R33)
R34_PWR_CH1 "10kΩ" 0603_R 42.751,40.722 r90 top (schematic designator R34)
R34_PWR_CH2 "10kΩ" 0603_R 96.705,50.727 r270 top (schematic designator R34)
R35_PWR_CH1 "91kΩ" 0603_R 45.039,40.722 r90 top (schematic designator R35)
R35_PWR_CH2 "91kΩ" 0603_R 94.417,50.727 r270 top (schematic designator R35)
R36_PGA11 "22Ω" 0603_R 51.705,10.635 r0 top (schematic designator R36)
R36_PGA12 "22Ω" 0603_R 50.105,61.04 r0 top (schematic designator R36)
R37_PGA11 "22Ω" 0603_R 51.71,7.4 r0 top (schematic designator R37)
R37_PGA12 "22Ω" 0603_R 50.11,57.805 r0 top (schematic designator R37)
R38_PGA11 "22Ω" 0603_R 51.71,9.025 r0 top (schematic designator R38)
R38_PGA12 "22Ω" 0603_R 50.11,59.43 r0 top (schematic designator R38)
R39_PGA11 "0Ω" 0603_R 52.715,15.225 r270 top (schematic designator R39)
R39_PGA12 "0Ω" 0603_R 51.115,65.63 r270 top (schematic designator R39)
R40_CH1_I_ADC "10kΩ" 0603_R 112.055,61.904 r90 top (schematic designator R40)
R40_CH1_Q_ADC "10kΩ" 0603_R 112.055,75.054 r90 top (schematic designator R40)
R40_CH2_I_ADC "10kΩ" 0603_R 110.93,24.479 r90 top (schematic designator R40)
R40_CH2_Q_ADC "10kΩ" 0603_R 110.859,11.471 r90 top (schematic designator R40)
R41_MIXED_I1 "200Ω" 0603_R 72.862,68.362 r90 top (schematic designator R41)
R41_MIXED_I2 "200Ω" 0603_R 71.03,29.399 r90 top (schematic designator R41)
R41_MIXER_Q1 "200Ω" 0603_R 73.03,81.324 r90 top (schematic designator R41)
R41_MIXER_Q2 "200Ω" 0603_R 71.255,14.524 r90 top (schematic designator R41)
R42_MIXED_I1 "200Ω" 0603_R 72.837,64.512 r270 top (schematic designator R42)
R42_MIXED_I2 "200Ω" 0603_R 71.005,25.549 r270 top (schematic designator R42)
R42_MIXER_Q1 "200Ω" 0603_R 73.005,77.474 r270 top (schematic designator R42)
R42_MIXER_Q2 "200Ω" 0603_R 71.23,10.674 r270 top (schematic designator R42)
R46_CH1_I_ADC "10kΩ" 0603_R 114.343,61.904 r90 top (schematic designator R46)
R46_CH1_Q_ADC "10kΩ" 0603_R 114.343,75.054 r90 top (schematic designator R46)
R46_CH2_I_ADC "10kΩ" 0603_R 113.218,24.479 r90 top (schematic designator R46)
R46_CH2_Q_ADC "10kΩ" 0603_R 113.147,11.471 r90 top (schematic designator R46)
R47_CH1_I_ADC "22Ω" 0603_R 116.631,61.904 r90 top (schematic designator R47)
R47_CH1_Q_ADC "22Ω" 0603_R 116.631,75.054 r90 top (schematic designator R47)
R47_CH2_I_ADC "22Ω" 0603_R 115.506,24.479 r90 top (schematic designator R47)
R47_CH2_Q_ADC "22Ω" 0603_R 115.435,11.471 r90 top (schematic designator R47)
R48_CH1_I_ADC "20kΩ" 0603_R 109.767,61.904 r90 top (schematic designator R48)
R48_CH1_Q_ADC "20kΩ" 0603_R 109.767,75.054 r90 top (schematic designator R48)
R48_CH2_I_ADC "20kΩ" 0603_R 108.642,24.479 r90 top (schematic designator R48)
R48_CH2_Q_ADC "20kΩ" 0603_R 108.571,11.471 r90 top (schematic designator R48)
R49_CH1_I_ADC "22Ω" 0603_R 102.903,61.904 r90 top (schematic designator R49)
R49_CH1_Q_ADC "22Ω" 0603_R 102.903,75.054 r90 top (schematic designator R49)
R49_CH2_I_ADC "22Ω" 0603_R 101.778,24.479 r90 top (schematic designator R49)
R49_CH2_Q_ADC "22Ω" 0603_R 101.707,11.471 r90 top (schematic designator R49)
R50_CH1_I_ADC "22Ω" 0603_R 105.191,61.904 r90 top (schematic designator R50)
R50_CH1_Q_ADC "22Ω" 0603_R 105.191,75.054 r90 top (schematic designator R50)
R50_CH2_I_ADC "22Ω" 0603_R 104.066,24.479 r90 top (schematic designator R50)
R50_CH2_Q_ADC "22Ω" 0603_R 103.995,11.471 r90 top (schematic designator R50)
R51_CH1_I_ADC "20kΩ" 0603_R 107.479,61.904 r90 top (schematic designator R51)
R51_CH1_Q_ADC "20kΩ" 0603_R 107.479,75.054 r90 top (schematic designator R51)
R51_CH2_I_ADC "20kΩ" 0603_R 106.354,24.479 r90 top (schematic designator R51)
R51_CH2_Q_ADC "20kΩ" 0603_R 106.283,11.471 r90 top (schematic designator R51)
R52_LNA11 "10kΩ" 0603_R 57.45,24.87 r270 top (schematic designator R52)
R52_LNA12 "10kΩ" 0603_R 56.319,75.133 r270 top (schematic designator R52)
R53_LNA11 "100Ω" 0603_R 52.3,32.175 r90 bottom (schematic designator R53)
R53_LNA12 "100Ω" 0603_R 51.169,82.438 r90 bottom (schematic designator R53)
R54_ATTN11 "150Ω" 2512R 38.2,28.62 r90 top (schematic designator R54)
R54_ATTN12 "150Ω" 2512R 37.435,78.555 r90 top (schematic designator R54)
R55_ATTN11 "150Ω" 2512R 42.7,28.695 r90 top (schematic designator R55)
R55_ATTN12 "150Ω" 2512R 41.935,78.63 r90 top (schematic designator R55)
R56_ATTN11 "150Ω" 2512R 43.15,24.32 r180 top (schematic designator R56)
R56_ATTN12 "150Ω" 2512R 42.385,74.255 r180 top (schematic designator R56)
R57_ATTN11 "680kΩ" 0603_R 31.867,23.312 r90 top (schematic designator R57)
R57_ATTN12 "680kΩ" 0603_R 31.102,73.247 r90 top (schematic designator R57)
R58_ATTN11 "220kΩ" 0603_R 29.579,23.312 r90 top (schematic designator R58)
R58_ATTN12 "220kΩ" 0603_R 28.814,73.247 r90 top (schematic designator R58)
R59_ATTN11 "68kΩ" 0603_R 34.155,23.312 r90 top (schematic designator R59)
R59_ATTN12 "68kΩ" 0603_R 33.39,73.247 r90 top (schematic designator R59)
R60_ATTN11 "22kΩ" 0603_R 30.35,25.995 r180 top (schematic designator R60)
R60_ATTN12 "22kΩ" 0603_R 29.585,75.93 r180 top (schematic designator R60)
R61_ATTN11 "10kΩ" 0603_R 33.85,25.995 r180 top (schematic designator R61)
R61_ATTN12 "10kΩ" 0603_R 33.085,75.93 r180 top (schematic designator R61)
U1_LNA11 "OPA847" SOIC127P600X175-8M 52.55,23.105 r180 top (schematic designator U1)
U1_LNA12 "OPA847" SOIC127P600X175-8M 51.419,73.368 r180 top (schematic designator U1)
U2_MIXED_I1 "AD834" SOIC127P600X175-8M 76.087,66.237 r90 top (schematic designator U2)
U2_MIXED_I2 "AD834" SOIC127P600X175-8M 74.255,27.274 r90 top (schematic designator U2)
U2_MIXER_Q1 "AD834" SOIC127P600X175-8M 76.255,79.199 r90 top (schematic designator U2)
U2_MIXER_Q2 "AD834" SOIC127P600X175-8M 74.48,12.399 r90 top (schematic designator U2)
U3_MIXED_I1 "AD820" SOIC127P600X175-8M 90.575,66.18 r0 top (schematic designator U3)
U3_MIXED_I2 "AD820" SOIC127P600X175-8M 88.743,27.217 r0 top (schematic designator U3)
U3_MIXER_Q1 "AD820" SOIC127P600X175-8M 90.743,79.142 r0 top (schematic designator U3)
U3_MIXER_Q2 "AD820" SOIC127P600X175-8M 88.968,12.342 r0 top (schematic designator U3)
U4_PWR_CH1 "TPS7A4901" DGN0008D_L 36.997,49.915 r90 top (schematic designator U4)
U4_PWR_CH2 "TPS7A4901" DGN0008D_L 102.459,41.535 r270 top (schematic designator U4)
U5_PWR_CH1 "TPS7A3001" DGN0008D_L 41.155,49.915 r90 top (schematic designator U5)
U5_PWR_CH2 "TPS7A3001" DGN0008D_L 98.301,41.535 r270 top (schematic designator U5)
U6_PGA11 "DAC8830" SOIC127P600X175-8M 57.247,8.375 r180 top (schematic designator U6)
U6_PGA12 "DAC8830" SOIC127P600X175-8M 55.647,58.78 r180 top (schematic designator U6)
U7_PGA11 "AD603" SOIC127P600X175-8M 57.265,14.58 r180 top (schematic designator U7)
U7_PGA12 "AD603" SOIC127P600X175-8M 55.665,64.985 r180 top (schematic designator U7)
U8_CH1_I_ADC "OPA2350" SOIC127P600X175-8M 100.467,67.799 r90 top (schematic designator U8)
U8_CH1_Q_ADC "OPA2350" SOIC127P600X175-8M 100.467,80.949 r90 top (schematic designator U8)
U8_CH2_I_ADC "OPA2350" SOIC127P600X175-8M 99.342,30.374 r90 top (schematic designator U8)
U8_CH2_Q_ADC "OPA2350" SOIC127P600X175-8M 99.271,17.365 r90 top (schematic designator U8)
U9_CH1_I_ADC "ADS1252" SOIC127P600X175-8M 106.605,67.799 r90 top (schematic designator U9)
U9_CH1_Q_ADC "ADS1252" SOIC127P600X175-8M 106.605,80.949 r90 top (schematic designator U9)
U9_CH2_I_ADC "ADS1252" SOIC127P600X175-8M 105.48,30.374 r90 top (schematic designator U9)
U9_CH2_Q_ADC "ADS1252" SOIC127P600X175-8M 105.409,17.365 r90 top (schematic designator U9)

## Footprints (in the part's own frame and the unit in brackets; to place one, negate y for a bottom-side part, rotate by r counter-clockwise, add the part's x,y. Pads: shape width x height; smd on the part's side, far side on the other; paste and mask are expansions set on the pad)
0603_C [mm]
  rect 0.93x0.98 smd: 1(-0.77,0) 2(0.77,0)
  silkscreen extent -1.53,-0.79 1.54,0.79, body extent -0.8,-0.4 0.8,0.4, height 0.3
0603_R [mm]
  rect 0.93x0.98 smd: 1(-0.77,0) 2(0.77,0)
  silkscreen extent -1.53,-0.79 1.54,0.79, body extent -0.85,-0.4 0.85,0.4, height 0.56
0805_C [mm]
  rect 1.16x1.47 smd: 1(-0.89,0) 2(0.89,0)
  silkscreen extent -1.77,-1.04 1.77,1.04, body extent -1,-0.62 1,0.63, height 0.77
0805_L [mm]
  rect 1.16x1.47 smd: 1(-0.89,0) 2(0.89,0)
  silkscreen extent -1.77,-1.04 1.77,1.03, body extent -1,-0.63 1,0.63, height 0.49
2225C [mil]
  rect 90x250 smd: 1(0,0) 2(240,0)
  silkscreen extent -65,-140 305,140, body extent 8,-125 232,125, height 71
2512R [mil]
  rect 61x129.92 smd: 1(-3.11,2) 2(251.89,2)
  silkscreen extent -47,-77 296,81, body extent 0,-63 249,63, height 24
BNC-TYCO_1-1337542-0 [mm] "BNC-50 Ohms  BNC Elbow PCB Socket With Mounting Posts"
  round 1.6 hole 0.9: 1(-5.48,0) MH(-5.48,2.54)
  round 2.7 hole 2: MH(-0.4,5.08) MH(-0.4,-5.08)
  silkscreen extent -7.5,-7.35 28,7.35, body extent -7.5,-7.35 28,7.35, height 13.16
DGN0008D_L [mm] "TSOP, 8-Leads, Body 3.1x3.1mm, Pitch 0.65mm, Thermal Pad 1.89x1.57mm, IPC High Density"
  rrect22% 1.15x0.45 smd: 1(-2.125,0.975) 2(-2.125,0.325) 3(-2.125,-0.325) 4(-2.125,-0.975) 5(2.125,-0.975) 6(2.125,-0.325) 7(2.125,0.325) 8(2.125,0.975)
  rrect6% 1.57x1.89 smd: 9(0,0)
  silkscreen extent -2.25,-1.55 1.15,1.87, body extent -2.45,-1.5 2.45,1.5, height 0.94
HFD3-DIP [mm] "超小型型号继电器（15mm*7.5mm*9mm)"
  rect 2x2 hole 1: 1(-6.35,-2.54)
  round 2 hole 1: 2(-1.27,-2.54) 3(1.27,-2.54) 4(3.81,-2.54) 5(3.81,2.54) 6(1.27,2.54) 7(-1.27,2.54) 8(-6.35,2.54)
  silkscreen extent -7.5,-3.75 7.5,3.75, body extent -7.5,-3.82 7.5,3.68, height 9
SOD-323 [mm] "1.8x1.3X0.9mm（长宽高，不包括引脚）"
  rect 1x0.8 smd: 1(-1.4,0)
  oct 1x0.8 smd: 2(1.4,0)
  silkscreen extent -2.11,-0.76 2.11,0.76, body extent -1.34,-0.63 1.31,0.67, height 1
SOIC127P600X175-8M [mm] "SOIC, 8-Leads, Body 4.90x3.95mm, Pitch 1.27mm, IPC Low Density"
  oval 1.65x0.65 smd: 1(-2.825,1.905) 2(-2.825,0.635) 3(-2.825,-0.635) 4(-2.825,-1.905) 5(2.825,-1.905) 6(2.825,-0.635) 7(2.825,0.635) 8(2.825,1.905)
  silkscreen extent -2.95,-2.5 1.6,2.9, body extent -3,-2.5 3,2.5, height 1.75
SOT-23(SOT-23-3) [mm]
  rect 1.25x0.7 smd: 1(1.25,-0.95) 2(1.25,0.95) 3(-1.25,0)
  silkscreen extent -0.65,-1.46 0.9,1.46, body extent -1.5,-1.5 1.5,1.5, height 1.3